# Altium PCB SectionC_BreakOut.PcbDoc
Units mm, origin at the board's own origin, x right, y up, seen from the top; angles counter-clockwise.
Board outline 78.8 x 84 mm, 2 copper layers (Top Layer, Bottom Layer), stack 1.569 mm thick; 55 components, 45 nets, 222 pads, 19 vias.
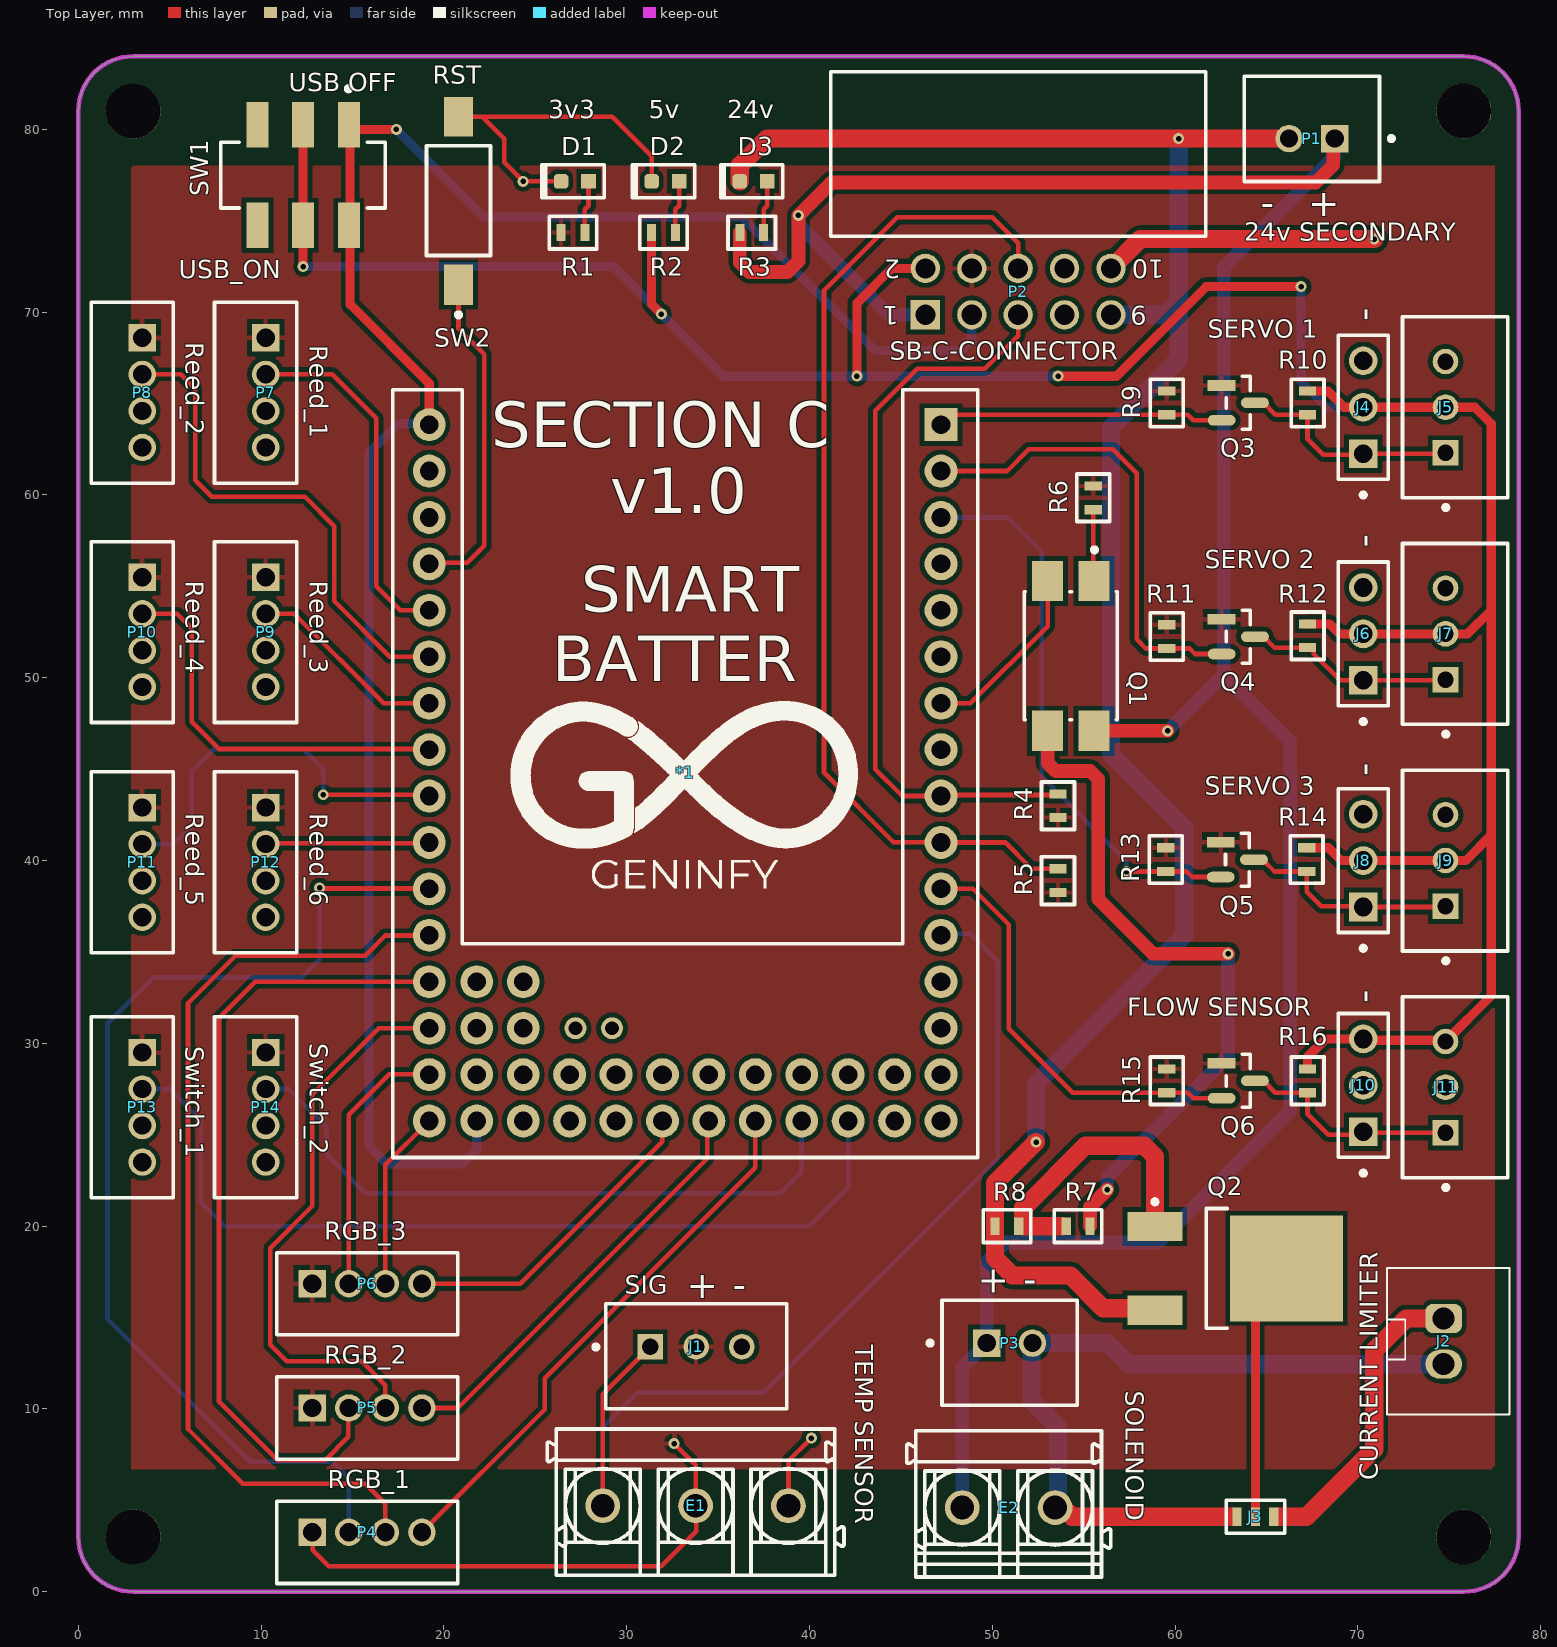
[diagram p0: Top Layer view]
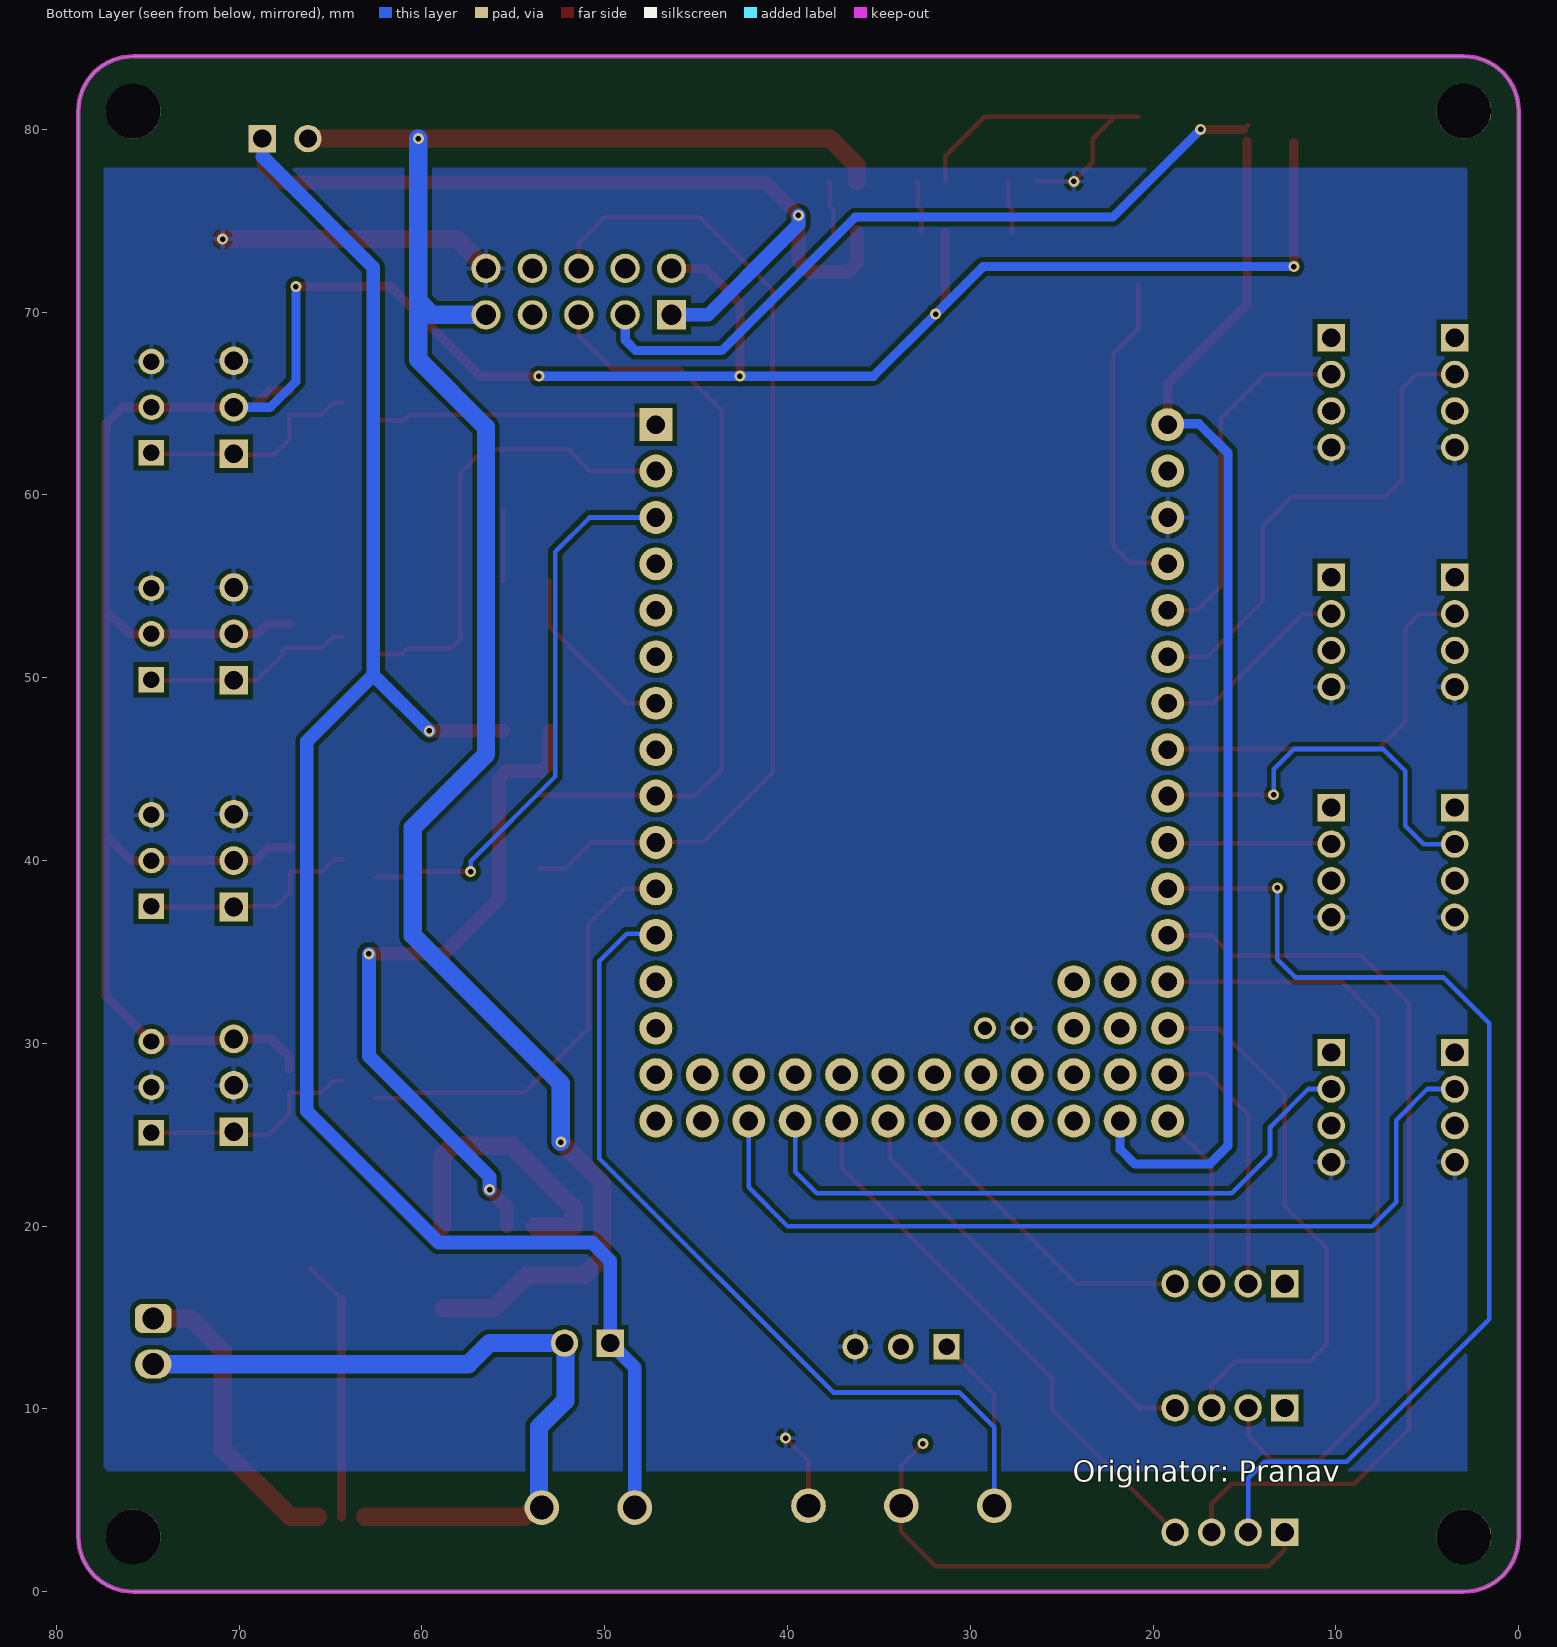
[diagram p1: Bottom Layer view, seen from below]
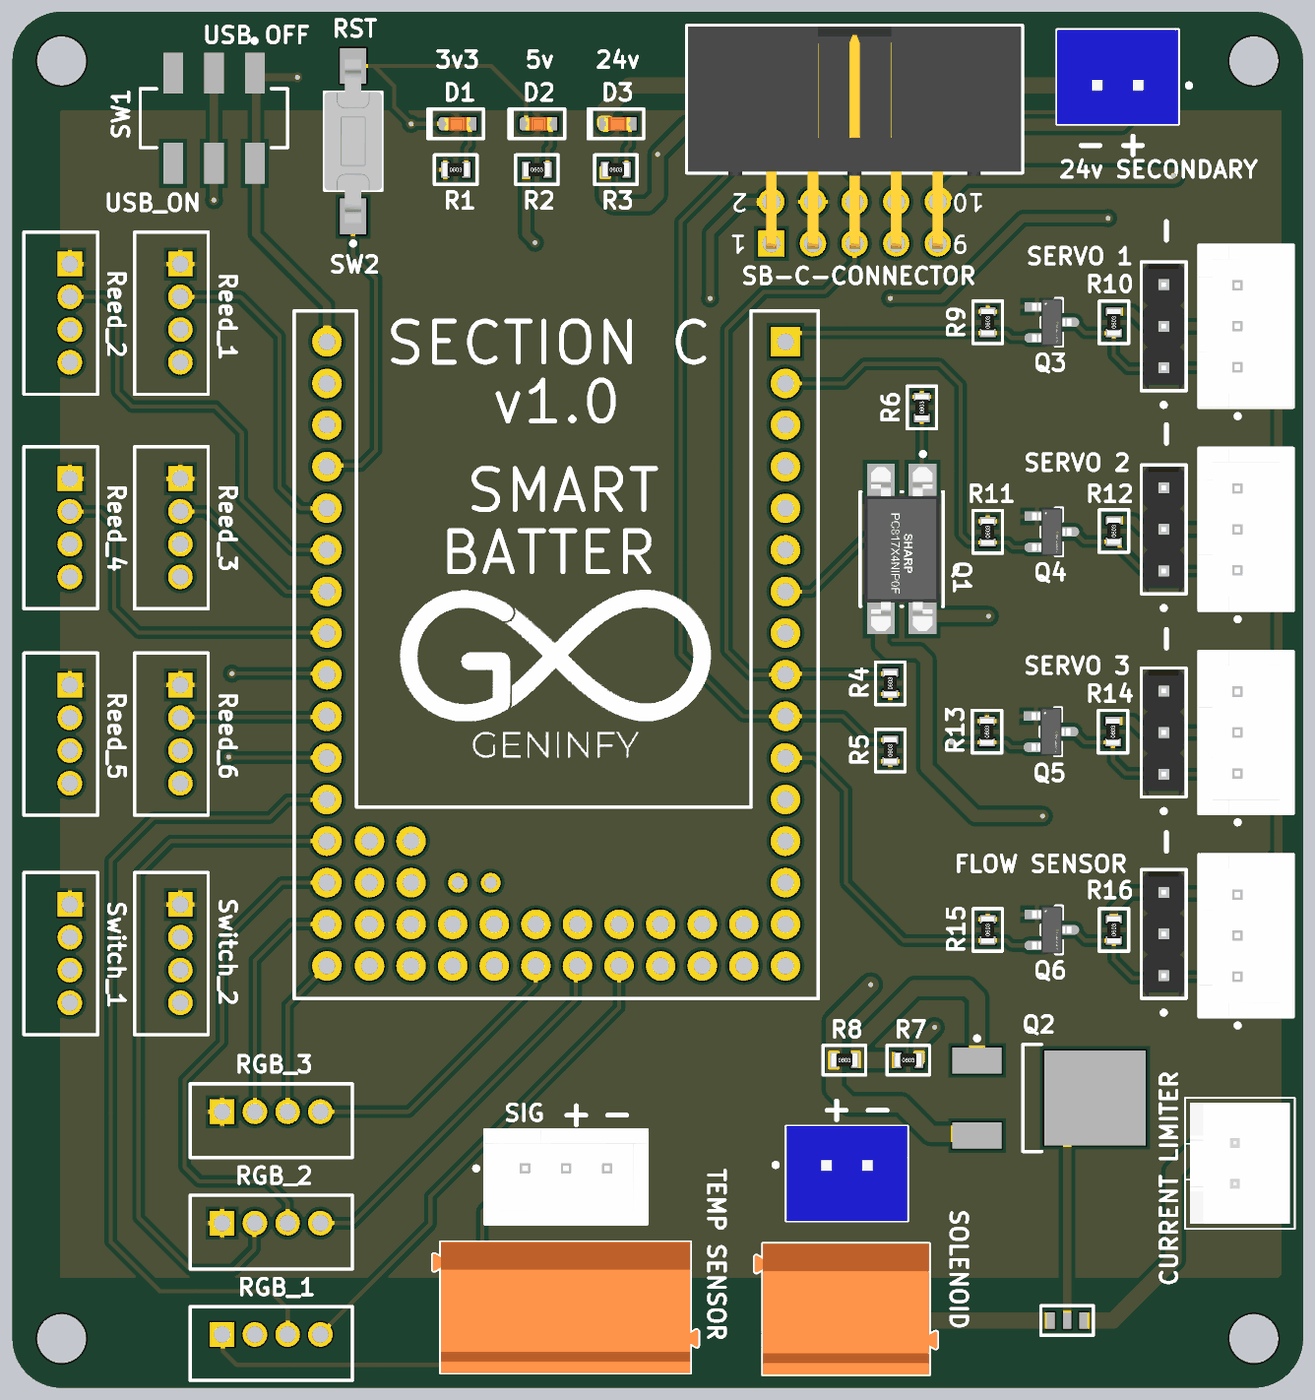
[diagram p2: 3D render of the assembled board from above, using the file's embedded part models]

## Layer stack, top to bottom
Top Solder: solder mask 0.0254, SM-001, Dk 4
Top Layer: signal copper 0.035
Dielectric 1: core 1.4986, Core-043, Dk 4.3
Bottom Layer: signal copper 0.035
Bottom Solder: solder mask 0.0254, SM-001, Dk 4

## Board outline
0,3 0,81 cw(c3,81) 3,84 75.8,84 cw(c75.8,81) 78.8,81 78.8,3 cw(c75.8,3) 75.8,0 3,0 cw(c3,3)

## Design rules (kind name [scope] priority, off if disabled: settings)
Clearance [All] p1: gap=0.254 ignorepadtopadclearanceinfootprint=FALSE except(0: Arc-Hole Track-Hole SMDPad-Hole THPad-Hole Via-Hole Fill-Hole Poly-Hole Region-Hole Text-Hole)
HoleSize [All] p1: absolutevalues=TRUE maxlimit=4 minlimit=0.025 maxpercent=80.000 minpercent=20.000
PolygonConnect [All] p1: connectstyle=Relief reliefconductorwidth=0.254 reliefentries=4 polygonreliefangle="90 Angle" airgapwidth=0.254
RoutingVias [All] p1: holewidth=0.711 width=1.27 viastyle="Through Hole" minholewidth=0.711 minwidth=1.27 maxholewidth=0.711 maxwidth=1.27
SilkToSolderMaskClearance [IsPad] p1: minsilkscreentomaskgap=0.25 clearancetoexposedcopper=TRUE
SolderMaskExpansion [All] p1: expansion=0.102 istentingtop=FALSE
Width [All] p1: maxlimit=2 minlimit=0.254 preferedwidth=0.254
28 further rules are at their usual default settings.

## Components (designator, comment, footprint, x,y, rotation, side; value= is the part's Value field where it differs from the comment)
*1 "PYBv1.1" PYBV1.1 33.2,44.8 r0 top
D1 "LED - Orange" LED0603-Orange 27.165,77.159 r0 top
D2 "LED - Orange" LED0603-Orange 32.118,77.159 r0 top
D3 "LED - Orange" LED0603-Orange 36.944,77.159 r0 top
E1 "1760500000" PM_5_08_90_03 33.771,4.9 r0 top
E2 "1760490000" PM_5_08_90_02 50.9,4.8 r0 top
J1 "B3B-XH-A(LF)(SN)" FP-B3B-XH-A_LF_SN-MFG 33.8,12.875 r0 top
J2 "JST-XH 2P" "JST-XH 2P" 74.7,13.7 r90 top
J3 "Solder Jumper" "Solder Jumper" 64.4,4.1 r0 top
J4 "22-28-4030" FP-22-28-4030-MFG 70.3,64.8 r90 top
J5 "B3B-XH-A(LF)(SN)" FP-B3B-XH-A_LF_SN-MFG 75.325,64.8 r90 top
J6 "22-28-4030" FP-22-28-4030-MFG 70.3,52.4 r90 top
J7 "B3B-XH-A(LF)(SN)" FP-B3B-XH-A_LF_SN-MFG 75.325,52.4 r90 top
J8 "22-28-4030" FP-22-28-4030-MFG 70.3,40 r90 top
J9 "B3B-XH-A(LF)(SN)" FP-B3B-XH-A_LF_SN-MFG 75.325,40 r90 top
J10 "22-28-4030" FP-22-28-4030-MFG 70.3,27.7 r90 top
J11 "B3B-XH-A(LF)(SN)" FP-B3B-XH-A_LF_SN-MFG 75.325,27.6 r90 top
P1 "B2B-XH-A(LF)(SN)" JST-B2B-XH-A_V 67.49,79.5 r180 top
P2 "61201021721" 61201021721 51.42,78.665 r180 top
P3 "B2B-XH-A(LF)(SN)" JST-B2B-XH-A_V 50.95,13.6 r0 top
P4 "B4B-PH-K-S(LF)(SN)" JST-B4B-PH-K-S_V 15.8,2.7 r0 top
P5 "B4B-PH-K-S(LF)(SN)" JST-B4B-PH-K-S_V 15.8,9.5 r0 top
P6 "B4B-PH-K-S(LF)(SN)" JST-B4B-PH-K-S_V 15.8,16.3 r0 top
P7 "B4B-PH-K-S(LF)(SN)" JST-B4B-PH-K-S_V 9.7,65.6 r270 top
P8 "B4B-PH-K-S(LF)(SN)" JST-B4B-PH-K-S_V 2.95,65.6 r270 top
P9 "B4B-PH-K-S(LF)(SN)" JST-B4B-PH-K-S_V 9.7,52.5 r270 top
P10 "B4B-PH-K-S(LF)(SN)" JST-B4B-PH-K-S_V 2.95,52.5 r270 top
P11 "B4B-PH-K-S(LF)(SN)" JST-B4B-PH-K-S_V 2.95,39.9 r270 top
P12 "B4B-PH-K-S(LF)(SN)" JST-B4B-PH-K-S_V 9.7,39.9 r270 top
P13 "B4B-PH-K-S(LF)(SN)" JST-B4B-PH-K-S_V 2.95,26.5 r270 top
P14 "B4B-PH-K-S(LF)(SN)" JST-B4B-PH-K-S_V 9.7,26.5 r270 top
Q1 "PC817X4NIP0F" FP-PC817X4NIP0F-MFG 54.3,51.2 r270 top
Q2 "NTD4805NT4G" ONSC-DPAK-3-369AA-01_V 63.3,17.69 r0 top
Q3 "BSS138" FP-318-08-IPC_B 63.462,65.041 r0 top
Q4 "BSS138" FP-318-08-IPC_B 63.462,52.25 r0 top
Q5 "BSS138" FP-318-08-IPC_B 63.41,40.05 r0 top
Q6 "BSS138" FP-318-08-IPC_B 63.462,27.95 r0 top
R1 "68R" "68R 0603" 27.065,74.359 r0 top
R2 "68R" "68R 0603" 32.018,74.359 r0 top
R3 "68R" "68R 0603" 36.844,74.359 r0 top
R4 "10k" "10k R0603" 53.6,43 r90 top
R5 "10k" "10k R0603" 53.6,38.9 r90 top
R6 "68R" "68R 0603" 55.529,59.846 r90 top
R7 "10k" "10k R0603" 54.7,20 r0 top
R8 "10k" "10k R0603" 50.8,20 r0 top
R9 "10k" "10k R0603" 59.551,65.041 r90 top
R10 "10k" "10k R0603" 67.251,65.041 r90 top
R11 "10k" "10k R0603" 59.551,52.25 r90 top
R12 "10k" "10k R0603" 67.251,52.3 r90 top
R13 "10k" "10k R0603" 59.5,40.05 r90 top
R14 "10k" "10k R0603" 67.2,40.05 r90 top
R15 "10k" "10k R0603" 59.551,27.95 r90 top
R16 "10k" "10k R0603" 67.251,27.95 r90 top
SW1 "JS202011SCQN" FP-JS202011SCQN-MFG 12.3,77.5 r180 top
SW2 "FSMSM" TECO-FSMSM-2_V 20.8,76.1 r90 top

## Footprints (in the part's own frame and the unit in brackets; to place one, negate y for a bottom-side part, rotate by r counter-clockwise, add the part's x,y. Pads: shape width x height; smd on the part's side, far side on the other; paste and mask are expansions set on the pad)
"10k R0603" [mm]
  rect 0.5x0.95 smd: 1(-0.65,0) 2(0.65,0)
  silkscreen extent -1.3,-0.9 1.3,0.9, body extent -0.8,-0.4 0.8,0.4, height 0.45
"68R 0603" [mm]
  rect 0.5x0.95 smd: 1(-0.65,0) 2(0.65,0)
  silkscreen extent -1.3,-0.9 1.3,0.9, body extent -0.8,-0.4 0.8,0.4, height 0.45
61201021721 [mm] "10 pins, right angled, gold plating"
  rect 1.6x1.6 hole 1.1: 1(5.08,8.805)
  round 1.6 hole 1.1: 2(5.08,6.265) 3(2.54,8.805) 4(2.54,6.265) 5(0,8.805) 6(0,6.265) 7(-2.54,8.805) 8(-2.54,6.265) 9(-5.08,8.805) 10(-5.08,6.265)
  silkscreen extent -10.26,-4.5 10.26,4.5, body extent -10.18,-4.42 10.18,9.13, height 9.23
FP-22-28-4030-MFG [mm]
  rect 1.57x1.57 hole 1.02 paste-1000 mask+0: 1(-2.54,0)
  round 1.57 hole 1.02 paste-1000 mask+0: 2(0,0) 3(2.54,0)
  silkscreen extent -4.92,-1.37 3.94,1.37, body extent -4.04,-1.47 4.04,1.47, height 0.25
FP-318-08-IPC_B [mm]
  rect 1.524x0.578 smd paste+0 mask+0: 1(-0.91,0.95)
  rrect100% 1.524x0.578 smd paste+0 mask+0: 2(-0.91,-0.95) 3(0.91,0)
  silkscreen extent -0.65,-1.45 0.65,1.45, body extent -1.92,-1.7 1.92,1.7, height 0.25
FP-B3B-XH-A_LF_SN-MFG [mm]
  rect 1.4x1.4 hole 0.9 paste-1000 mask+0: 1(-2.5,0.525)
  round 1.4 hole 0.9 paste-1000 mask+0: 2(0,0.525) 3(2.5,0.525)
  silkscreen extent -5.61,-2.88 4.95,2.88, body extent -5.05,-2.98 5.05,2.98, height 0.25
FP-JS202011SCQN-MFG [mm]
  rect 1.2x2.5 smd paste+0 mask+0: 1(-2.5,-2.75) 2(0,-2.75) 3(2.5,-2.75) 4(-2.5,2.75) 5(0,2.75) 6(2.5,2.75)
  silkscreen extent -4.5,-4.85 4.5,1.8
FP-PC817X4NIP0F-MFG [mm]
  rect 2.2x1.7 smd paste+0 mask+0: 1(-4.1,1.27) 2(-4.1,-1.27) 3(4.1,-1.27) 4(4.1,1.27)
  silkscreen extent -5.92,-2.54 3.5,2.54, body extent -5.3,-2.64 5.3,2.64, height 0.25
JST-B2B-XH-A_V [mm] "Header, 2-Leads, Body 7.4x5.75mm, Pitch 2.5mm"
  rect 1.5x1.5 hole 1: 1(-1.25,0)
  round 1.5 hole 1: 2(1.25,0)
  silkscreen extent -4.47,-3.4 3.7,2.35, body extent -3.7,-3.4 3.7,2.35, height 7
JST-B4B-PH-K-S_V [mm] "Connector, 4-Leads, Body 9.9x4.5mm, Pitch 2mm"
  rect 1.5x1.5 hole 1: 1(-3,0.55)
  round 1.5 hole 1: 2(-1,0.55) 3(1,0.55) 4(3,0.55)
  silkscreen extent -4.95,-2.25 4.95,2.25, body extent -3.25,0.3 3.25,0.8
"JST-XH 2P" [mm]
  rrect50% 1.6x2 hole 1.2: 1(1.25,0)
  oval 1.6x2 hole 1.2: 2(-1.25,0)
  silkscreen extent -4,-3.6 4,3.1, body extent -3.7,-3.3 3.7,2.8, height 7.01
LED0603-Orange [mm]
  rrect50% 0.8x0.8 smd: 1(-0.75,0)
  rect 0.8x0.8 smd: 2(0.75,0)
  silkscreen extent -1.8,-0.9 1.6,1, body extent -0.8,-0.4 0.8,0.4, height 0.7
ONSC-DPAK-3-369AA-01_V [mm] "DPAK, 3-Leads, Body 6.54x6.095mm, Pitch 2.29mm"
  rect 3x1.6 smd: 1(-4.4,2.29) 3(-4.4,-2.29)
  rect 6.2x5.8 smd: 4(2.8,0)
  silkscreen extent -4.52,-3.27 -0.45,3.76
PM_5_08_90_02 [mm] "PM 5.08/02/90 3.5"
  round 1.9 hole 1.3: A1(-2.54,-0.2) A2(2.54,-0.2)
  silkscreen extent -5.58,-4 5.58,4, body extent -5.58,-4 5.58,4, height 10.01
PM_5_08_90_03 [mm] "PM 5.08/03/90 3.5"
  round 1.9 hole 1.3: A1(-5.08,-0.2) A2(0,-0.2) A3(5.08,-0.2)
  silkscreen extent -8.12,-4 8.12,4, body extent -8.12,-4 8.12,4, height 10.01
PYBV1.1 [mm]
  rect 1.8x1.8 hole 1.02: 1(14,19.05)
  round 1.8 hole 1.02: 2(14,16.51) 3(14,13.97) 4(14,11.43) 5(14,8.89) 6(14,6.35) 7(14,3.81) 8(14,1.27) 9(14,-1.27) 10(14,-3.81) 11(14,-6.35) 12(14,-8.89) 13(14,-11.43) 14(14,-13.97) 15(14,-16.51) 16(14,-19.05) 17(-14,19.05) 18(-14,16.51) 19(-14,13.97) 20(-14,11.43) 21(-14,8.89) 22(-14,6.35) 23(-14,3.81) 24(-14,1.27) 25(-14,-1.27) 26(-14,-3.81) 27(-14,-6.35) 28(-14,-8.89) 29(-14,-11.43) 30(-14,-13.97) 31(-14,-16.51) 32(-14,-19.05) 33(11.46,-19.05) 34(8.92,-19.05) 35(6.38,-19.05) 36(3.84,-19.05) 37(1.3,-19.05) 38(-1.24,-19.05) 39(-3.78,-19.05) 40(-6.32,-19.05) 41(-8.86,-19.05) 42(-11.4,-19.05) 43(11.46,-16.51) 44(8.92,-16.51) 45(6.38,-16.51) 46(3.84,-16.51) 47(1.3,-16.51) 48(-1.24,-16.51) 49(-3.78,-16.51) 50(-6.32,-16.51) 51(-8.86,-16.51) 51(-8.86,-13.97) 51(-8.86,-11.43) 52(-11.4,-16.51) 52(-11.4,-13.97) 52(-11.4,-11.43)
  round 1.2 hole 0.75: 53(-4,-13.97) 54(-6,-13.97)
  silkscreen extent -16,-21.05 16,20.95
"Solder Jumper" [mm]
  rect 0.5x1 smd: 1(-1,0) 2(0,0) 3(1,0)
  silkscreen extent -1.6,-0.9 1.6,0.9
TECO-FSMSM-2_V [mm] "SMD, 2-Leads, Body 6x3.5mm, Pitch 9.19mm"
  rect 2.2x1.6 smd: 1(-4.595,0)
  rect 2.18x1.6 smd: 2(4.595,0)
  silkscreen extent -6.37,-1.75 3,1.75, body extent -4.98,-1.75 4.98,1.75, height 4.4

## Part data
D1 D2 D3: library part LTST-C191KFKT, "LED ORANGE CLEAR SMD", Case Code (Imperial)=0603, Case Code (Metric)=1608, Color=Orange, Forward Current=30mA, Forward Voltage=2V, Lens Color=Colorless, Manufacturer="Vishay Lite-On", Max Operating Temperature=85°C, Min Operating Temperature=-55°C, Package Quantity=1, Power Dissipation=75mW, Reverse Voltage=5V, Supplier Part Number 1=160-1445-1-ND, Test Current=20mA, Case/Package=0603, Category=LEDs, ComponentLink1Description=https://datasheet.ciiva.com/2109/ltst-c191kfkt-2109968.pdf?src-supplier=Digi-Key, ComponentLink1URL=https://datasheet.ciiva.com/2109/ltst-c191kfkt-2109968.pdf?src-supplier=Digi-Key, ComponentLink2Description=https://datasheet.ciiva.com/12400/100-ltst-c191kfkt-39904-12400811.pdf?src-supplier=Mouser, ComponentLink2URL=https://datasheet.ciiva.com/12400/100-ltst-c191kfkt-39904-12400811.pdf?src-supplier=Mouser, ComponentLink3Description=https://datasheet.ciiva.com/11775/0900766b80dc02b0-11775613.pdf?src-supplier=RSComponents, ComponentLink3URL=https://datasheet.ciiva.com/11775/0900766b80dc02b0-11775613.pdf?src-supplier=RSComponents, ComponentLink4Description=https://datasheet.ciiva.com/15201/getdatasheetpartid-631075-15201391.pdf?src-supplier=Verical, ComponentLink4URL=https://datasheet.ciiva.com/15201/getdatasheetpartid-631075-15201391.pdf?src-supplier=Verical, ComponentLink5Description=https://datasheet.ciiva.com/2109/s-110-ltst-c191kfkt-2109969.pdf?src-supplier=Digi-Key, ComponentLink5URL=https://datasheet.ciiva.com/2109/s-110-ltst-c191kfkt-2109969.pdf?src-supplier=Digi-Key, Depth=0.8mm, Dominant Wavelength=605nm, Height=0.55mm, Illumination Color=Orange, Lead Free="Lead Free", Length=1.6mm, Lens Style=Diffused,Colorless,Rectangular, Lens Transparency=Clear, Luminous Intensity=90mcd, Manufacturer Part Number=LTST-C191KFKT, Mount="Surface Mount", Number of Elements=1, Number of LEDs=1, Number of Pins=2, Packaging="Tape and Reel", Power Rating=75mW, Pricing 1="1=0.24000, 10=0.17900, 100=0.08460, 500=0.05640, 1000=0.04418, 2500=0.04324 (USD)", Radiation Hardening=No, RoHS=Yes, Stock 1=92562, Supplier 1=Digi-Key, Viewing Angle=130°, Wavelength=611nm, Width=0.8mm
E1: library part CMP-1559-01629-1, "OMNIMATE Signal - series PM", Colour=Orange, Manufacturer=Weidmueller, Rated_current_use_group_B_UL_1059="15 A", Rated_voltage_for_surge_voltage_class_pollution_degree_II_2="600 V", Rated_voltage_use_group_B_UL_1059="300 V", UL_94_flammability_rating=V-0, ComponentLink1Description="Manufacturer URL", ComponentLink1URL=http://www.weidmueller.com/, ComponentLink2Description="URL Link1", ComponentLink2URL=http://catalog.weidmueller.com/catalog/Start.do?localeId=en&ObjectID=1760500000, Contact_material=Cu-Leg, Contact_surface=tinned, Insulating_material="Wemid (PA)", Mounting_onto_the_PCB="Solder connection", No_of_poles=3, PackageReference=PM_5_08_90_03, Packaging=Box, PartNumber=1760500000, Pitch_inch="0,2 inch", Pitch_mm="5,08 mm", Qty="500 PCS", Revision=V1, Short_text_for_material="PM 5.08/03/90 3.5SN OR BX", Side_termination_characteristic="closed side", Solder_pin_length_mm="3,5 mm", Solid_max_H05_07_V_U="2,5 mm²", Solid_min_H05_07_V_U="0,13 mm²", Wire_cross_section_AWG_max_UL_1059="AWG 14", Wire_cross_section_AWG_min_UL_1059="AWG 26"